# Altium PCB BMD_RevB_PCB.PcbDoc (part 2 of 3) (continued)
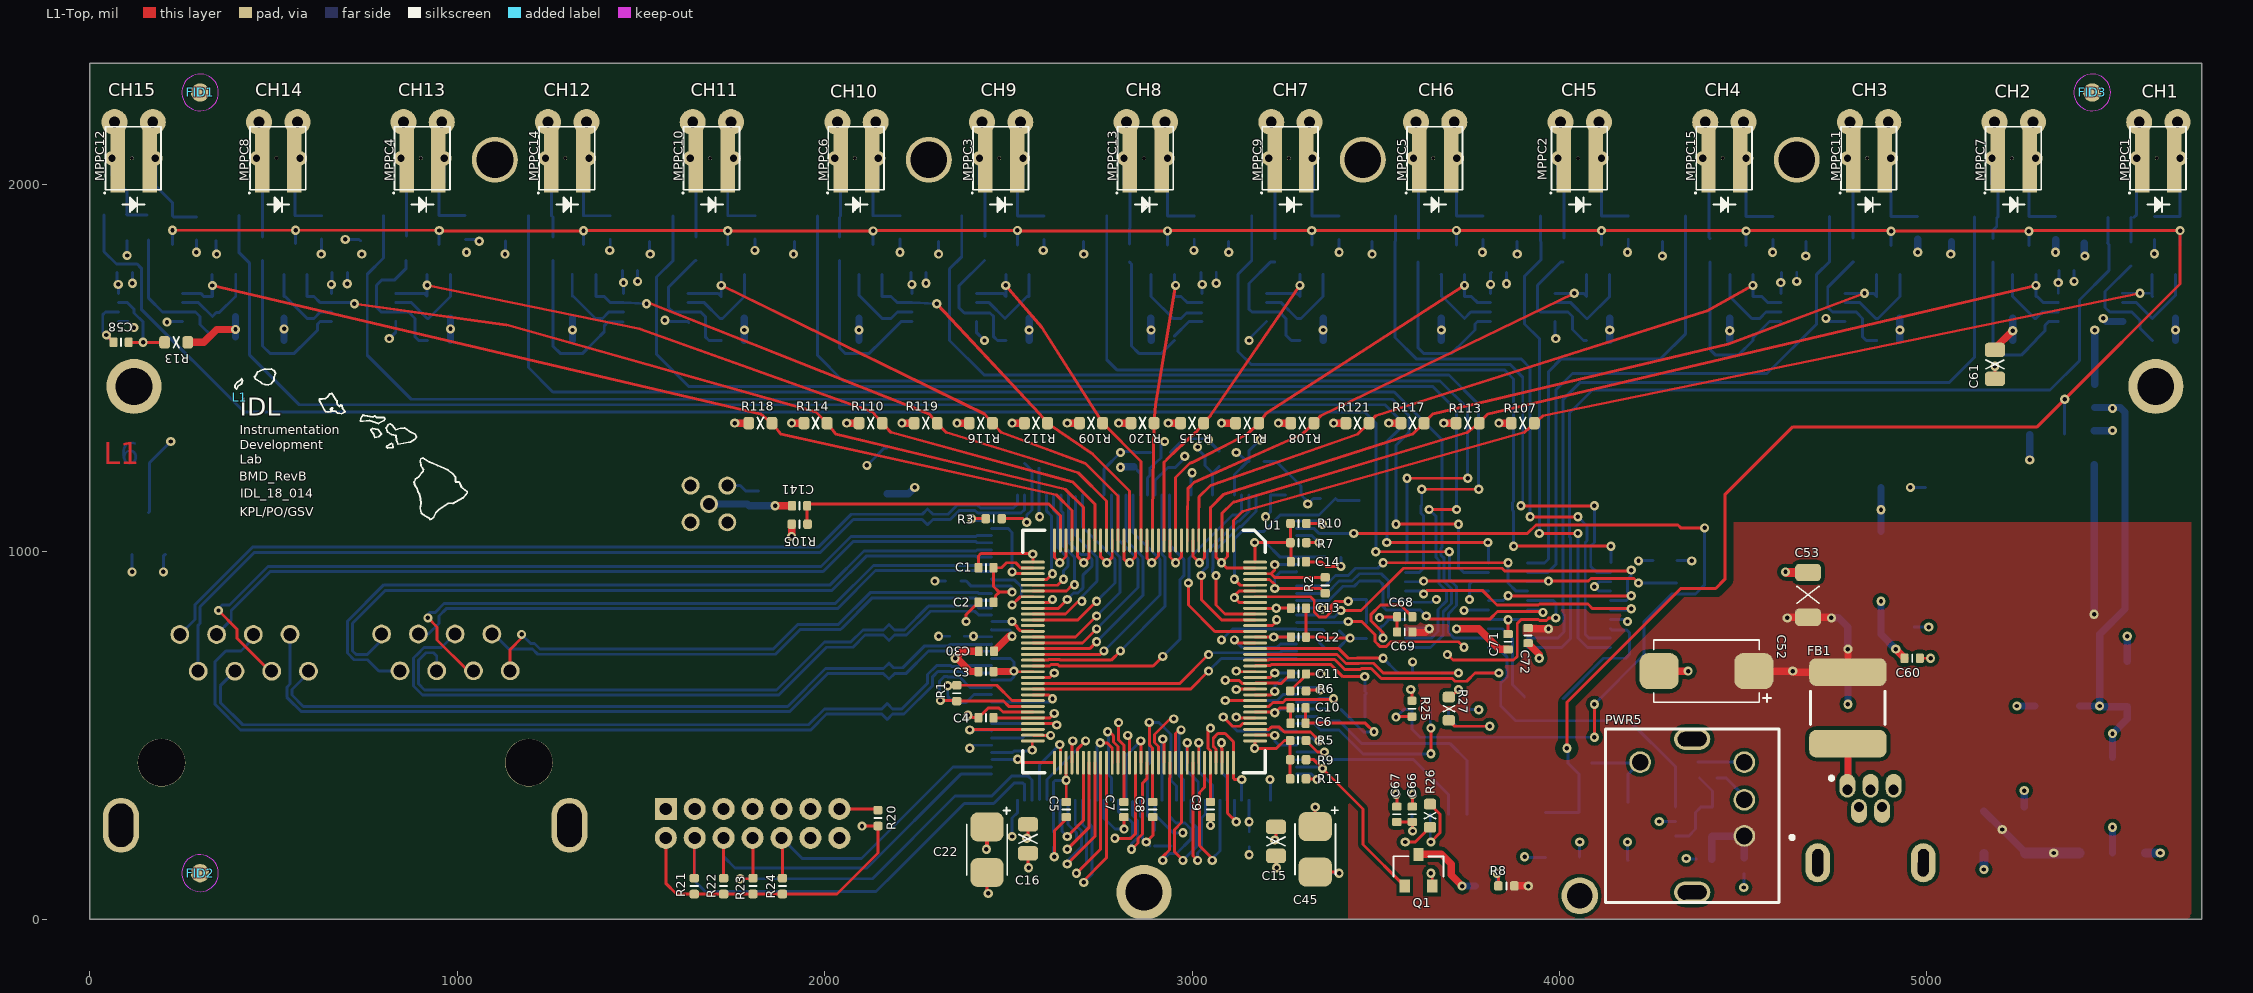
[diagram p0: L1-Top view]
## Nets (pads, with @x,y where several pads share a name; then routed paths per layer and width w, separated by ;. In a path a pad name is that pad's centre, name@x,y a point inside that pad or via, vN(x,y) a via of type N, cw(c..) or ccw(c..) an arc to the next point about the centre after c; other vN are vias at no path point) (continued)
  L6-Bottom w8: U2.46@3284.37,906.32 3361.32,906.32 3390,935 3425,935 3445,955 3505,955 v1(3520,970) ; v1(3860,970) 3860,915 3882.28,892.72 U5.7@3912.4,892.72
DAC_SDO: U2.51 U7.16 | length 676.6
  L1-Top w8: v1(3425,810) 3461.82,810 3497.5,774.32 3497.5,755.68 3510.68,742.5 3529.32,742.5 3541.82,755 3725,755 v1(3740,740)
  L3-MID w8: v1(3740,740) 3742.5,742.5 3742.5,837.5 v1(3740,840)
  L6-Bottom w8: U2.51@3284.37,807.9 3422.9,807.9 v1(3425,810) ; v1(3740,840) 3741.54,841.54 U7.16@3807.09,841.54
DATA_IN_N: J3.B4 R123.1 U2.123 | length 2492.9
  L6-Bottom w8: 345.1,580.1 410.2,515 1962,515 2005,558 2155.35,558 R123.1@2170,543.35 2184.65,558 2215.8,558 2294,636.2 2294,660 2308,674 2339.38,674 2339.88,673.5 2370.12,673.5 2370.62,674 2372.26,674 2376.16,670.1 U2.123@2453.66,670.1 ; 345.1,580.1 341,584.2 341,701 370,730 411,730 444.89,763.89 J3.B4@444.89,774.8
DATA_IN_P: J3.B5 R123.2 U2.124 | length 2319.9
  L6-Bottom w8: J3.B5@394.88,674.8 355.08,635 355,635 355,590 416,529 1956.2,529 1999.2,572 2155.35,572 R123.2@2170,586.65 2184.65,572 2210,572 2280,642 2280,665.8 2303.99,689.79 2343.39,689.79 2345.68,687.5 2364.32,687.5 2366.61,689.79 U2.124@2453.66,689.79
DATA_OUT_N: J3.A6 U2.137 | length 1643.9
  L6-Bottom w8: J3.A6@894.09,775.98 920.98,775.98 950,805 950,825 970,845 2034.8,845 2138.33,948.54 2411.39,948.54 2414.23,945.69 U2.137@2453.66,945.69
DATA_OUT_P: J3.A3 U2.138 | length 1808.1
  L1-Top w8: v1(920,820) 945,795 945,760 1029.01,675.99 J3.A3@1044.09,675.99
  L6-Bottom w8: v1(920,820) 915,825 924.9,834.9 940.1,834.9 964.2,859 2029,859 2132.54,962.54 2411.39,962.54 2414.23,965.38 U2.138@2453.66,965.38
DO_1: U1.91 U2.80 | length 458.3
  L1-Top w8: U1.91@3033.87,425.79 3033.87,358.87 3020,345 3020,200 3055,165 v1(3055,160)
  L6-Bottom w8: v1(3055,160) 3055,165 3075.71,185.71 U2.80@3075.71,323.65
DO_2: U1.90 U2.81 | length 225.3
  L1-Top w8: U1.90@3018.17,425.79 v1@3018.17,479.83
  L6-Bottom w8: v1@3020,480 3020,400 3056.02,363.98 U2.81@3056.02,323.65
  other v1: 3018,480
DO_3: U1.89 U2.82 | length 443.5
  L1-Top w8: U1.89@3002.47,425.79 3002.47,172.53 v1(3015,160)
  L6-Bottom w8: v1(3015,160) 3015,180.2 3025.5,190.7 3025.5,275.5 3036.34,286.34 U2.82@3036.34,323.65
DO_4: U1.88 U2.83 | length 229.4
  L1-Top w8: v1@2985,480 2986.77,478.23 U1.88@2986.77,425.79
  L6-Bottom w8: v1@2990,480 2985,480 2985,405 3016.65,373.35 U2.83@3016.65,323.65
  other v1: 2987,480
DO_5: U1.87 U2.84 | length 467.6
  L1-Top w8: U1.87@2971.07,425.79 2971.07,262.89 2952.5,244.32 2952.5,182.5 v1(2975,160)
  L6-Bottom w8: v1(2975,160) 3011.5,196.5 3011.5,250.12 2996.97,264.65 U2.84@2996.97,323.65
DO_6: U1.86 U2.85 | length 296.9
  L1-Top w8: U1.86@2955,426.16 2955,505 2965,515 v1(2970,515)
  L6-Bottom w8: v1(2970,515) 2964.5,509.5 2964.5,390.5 2977.28,377.72 U2.85@2977.28,323.65
DO_7: U1.85 U2.87 | length 519.6
  L1-Top w8: v1(2920,160) 2920,170 2938.5,188.5 2938.5,383.5 2940,385 2940,425.46 U1.85@2939.67,425.79
  L6-Bottom w8: v1(2920,160) 2938.5,178.5 2957.37,178.5 2997.5,218.64 2997.5,244.32 2980.32,261.5 2956.53,261.5 2937.91,280.11 U2.87@2937.91,323.65
DO_8: U1.84 U2.88 | length 232.9
  L1-Top w8: v1(2920,490) 2923.97,486.03 U1.84@2923.97,425.79
  L6-Bottom w8: U2.88@2918.23,323.65 2918.23,488.23 v1(2920,490)
DO_9: U1.76 U2.95 | length 289.6
  L1-Top w8: v1(2770,510) 2775,510 2786,499 2786,482.33 2798.37,469.97 U1.76@2798.37,425.79
  L6-Bottom w8: v1(2770,510) 2772.5,507.5 2772.5,392.5 2780.43,384.57 U2.95@2780.43,323.65
DO_10: U1.75 U2.97 | length 238.5
  L1-Top w8: v1(2750,480) 2768.27,480 2782.67,465.6 U1.75@2782.67,425.79
  L6-Bottom w8: U2.97@2741.06,323.65 2741.06,471.06 v1(2750,480)
DO_11: U1.74 U2.98 | length 593.6
  L1-Top w8: v1(2705,100) 2700,100 2766.97,166.97 U1.74@2766.97,425.79
  L6-Bottom w8: v1(2705,100) 2727,122 2727,252.4 2721.38,258.02 U2.98@2721.38,323.65
DO_12: U1.73 U2.99 | length 543.2
  L1-Top w8: v1(2685,125) 2751.27,191.27 U1.73@2751.27,425.79
  L6-Bottom w8: v1(2685,125) 2713,153 2713,246.6 2701.69,257.9 U2.99@2701.69,323.65
DO_13: U1.72 U2.100 | length 503.9
  L1-Top w8: v1(2660,150) 2735.57,225.57 U1.72@2735.57,425.79
  L6-Bottom w8: v1(2660,150) 2660,158.18 2699,197.18 2699,240.8 2682.01,257.79 U2.100@2682.01,323.65
DO_14: U1.71 U2.101 | length 414
  L1-Top w8: v1(2660,190) 2719.87,249.87 U1.71@2719.87,425.79
  L6-Bottom w8: v1(2660,190) 2685,215 2685,235 2662.32,257.68 U2.101@2662.32,323.65
DO_15: U1.70 U2.102 | length 327.1
  L1-Top w8: v1(2660,225) 2704.17,269.17 U1.70@2704.17,425.79
  L6-Bottom w8: U2.102@2642.64,323.65 2640,321.01 2640,261.92 2645.83,256.1 2645.83,239.17 v1(2660,225)
DO_16: U1.69 U2.104 | length 271.2
  L1-Top w8: U1.69@2688.47,425.79 2688.47,463.47 v1(2710,485)
  L6-Bottom w8: U2.104@2605,325.38 2605,380 v1(2710,485)
DONE: U1.94 U2.79 | length 217.3
  L1-Top w8: v1(3080,480) 3080,465 3080.97,464.03 U1.94@3080.97,425.79
  L6-Bottom w8: v1(3080,480) 3080,400 3095.39,384.61 U2.79@3095.39,323.65
FLASH_C\S\: R25.1 U2.38 U4.1 | length 2521.8
  L1-Top w8: v1(3440,1050) 3913.18,1050 3935.68,1072.5 4322.5,1072.5 4330,1065 v1(4395,1065) ; v1(3555,550) 3556.18,551.18 R25.1@3598.43,551.18 ; v1(4095,495) v1(4095,585)
  L6-Bottom w8: U2.38@3284.37,1063.8 3331.2,1063.8 3345,1050 v1(3440,1050) v1@3445,1050 ; v1(3555,550) 3575.87,570.87 U4.1@3598.23,570.87 3598.23,516.77 3620,495 v1(4095,495) ; v1(4095,585) 4230,720 4230,810 4305,885 4370,885 4395,910 v1(4395,1065)
FLASH_CLK: U2.70 U4.6 | length 504.8
  L6-Bottom w8: U2.70@3284.37,433.88 3349.3,433.88 3350.68,432.5 3382.5,432.5 ; 3385,435 3601.46,435 3698.23,338.23 U4.6@3698.23,285.43
FLASH_DI: U2.64 U4.5 | length 660
  L6-Bottom w8: U2.64@3284.37,551.99 3338.01,551.99 3350,540 3400,540 3462.5,477.5 3702.5,477.5 3748.23,431.77 U4.5@3748.23,285.43
FLASH_DO: U2.65 U4.2 | length 521.3
  L1-Top w8: v1(3650,450) v1(3650,520)
  L6-Bottom w8: U2.65@3284.37,532.31 3332.31,532.31 3349.61,515 3400,515 3465,450 v1(3650,450) ; U4.2@3648.23,570.87 3648.23,521.77 v1(3650,520)
GND: C1.1 C2.1 C3.1 C4.1 C5.1 C6.1 C7.1 C8.1 C9.1 C10.1 C11.1 C12.1 C13.1 C14.1 C15.1 C16.1 C18.2 C19.1 C20.1 C21.1 C22.2 C25.2 C26.1 C27.1 C28.1 C29.1 C30.1 C31.2 C32.2 C33.2 C35.2 C36.1 C37.1 C38.1 C39.1 C40.1 C41.2 C42.2 C43.1 C44.1 C45.2 C46.1 C47.1 C51.1 C52.2 C53.1 C55.1 C56.1 C57.1 C60.2 C61.1 C63.1 C64.1 C65.1 C66.2 C67.2 C68.2 C69.1 C70.1 C71.2 C72.1 C76.1 C77.1 C78.1 C79.2 C80.2 C81.2 C86.2 C87.2 C88.2 C89.1 C90.2 C95.2 C96.2 C97.2 C98.2 C103.2 C104.2 C105.2 C106.2 C111.2 C112.1 C113.1 C114.2 C115.2 C116.1 C117.2 C122.2 C123.2 C124.2 C125.1 C126.2 C131.2 C132.2 C133.2 C134.2 C138.2 C139.2 C140.2 C142.1 D1.2 D2.2 GND1.1 J1.5 J2.2 J2.3 J2.4 J2.5 J3.T1 J3.T2 JTAG1.3 JTAG1.5 JTAG1.7 JTAG1.9 JTAG1.11 pad.5 pad.6 pad.9 pad.10 POT1.3 PWR1.1 PWR3.1 PWR5.2 PWR5.5 PWR5.6 Q1.2 R3.2 R6.2 R19.1 R29.2 R106.1 U1.2 U1.4 U1.6 U1.8 U1.10 U1.12 U1.14 U1.16 U1.18 U1.20 U1.22 U1.24 U1.26 U1.28 U1.30 U1.32 U1.33 U1.39 U1.45 U1.53 U1.59 U1.68 U1.78 U1.83 U1.93 U1.96 U1.98 U1.101 U1.106 U1.109 U1.114 U1.117 U1.121 U1.123 U1.127 U2.3 U2.13 U2.25 U2.49 U2.54 U2.68 U2.73 U2.77 U2.91 U2.96 U2.108 U2.113 U2.130 U2.136 U4.4 U5.13 U5.14 U6.2 U7.13 U7.14 U8.4 U9.4 U10.4 U11.4 U12.4 U13.4 U14.4 U15.4 | length 10337.3
  L1-Top w8: v1@100,1805 v1(101.38,1806.38) ; v1(2355,710) v1@2360,710 ; v1(2385,810) 2385,828.92 C2.1@2418.31,862.23 ; v1(2390,555) 2395,555 2401.77,548.23 C4.1@2418.31,548.23 2445.08,575 2474,575 2485,564 2565.96,564 U1.59@2566.52,563.44 ; C1.1@2418.31,956.43 2418.31,988.31 2425,995 2565,995 v1(2566.52,993.48) U1.33@2566.52,971.64 ; C22.2@2441.93,126.97 2441.93,73.07 v1(2445,70) ; R3.2@2481.65,1090 2540,1090 ; v1(2510,810) 2524.02,795.98 2524.02,793.14 2532.22,784.94 2566.52,784.94 U1.45@2566.52,783.24 ; v1(2510,855) 2532.44,877.44 U1.39@2566.52,877.44 ; C16.1@2553.15,179.13 2553.15,141.85 v1(2555,140) ; U1.53@2566.52,657.64 2612.64,657.64 v1(2625,670) ; v1(2625,170) 2625,240 2657.48,272.48 C5.1@2657.48,277.56 ; U1.32@2625.67,1030.79 2625.67,984.33 v1(2640,970) 2657.07,987.07 U1.30@2657.07,1030.79 ; U1.68@2672.77,425.79 2672.77,482.77 v1(2675,485) ; U1.28@2688.47,1030.79 2688.47,986.53 v1(2705,970) 2719.87,984.87 U1.26@2719.87,1030.79 ; U1.24@2751.27,1030.79 2751.27,986.27 v1(2767.53,970) 2782.67,985.13 U1.22@2782.67,1030.79 ; U1.20@2814.07,1030.79 2814.07,980.93 2827.5,967.5 v1(2830,970) 2845.47,985.47 U1.18@2845.47,1030.79 ; v1(2815,245) C7.1@2815,277.04 ; v1(2825,500) 2829.77,495.23 U1.78@2829.77,425.79 ; v1(2875,210) 2892.98,227.98 C8.1@2892.98,277.56 ; U1.16@2876.87,1030.79 2876.87,983.13 v1(2890,970) 2908.27,988.27 U1.14@2908.27,1030.79 ; U1.83@2908.27,425.79 2908.27,469.91 2897.5,480.68 2897.5,502.5 2940,545 v1(2950,545) ; U1.12@2939.67,1030.79 2939.67,985.33 v1(2955,970) 2971.07,986.07 U1.10@2971.07,1030.79 ; U1.8@3002.47,1030.79 3002.47,987.53 v1(3020,970) 3033.87,983.87 U1.6@3033.87,1030.79 ; v1@3049.98,255.02 C9.1@3049.98,277.56 ; U1.93@3065.27,425.79 3065.27,462.91 3057.5,470.68 3057.5,492.5 3070,505 3090,505 3112.37,482.63 U1.96@3112.37,425.79 3112.37,382.63 3115,380 v1(3135,380) ; U1.4@3065.27,1030.79 3065.27,984.73 v1(3080,970) ; U1.2@3096.67,1030.79 3096.67,986.67 v1(3080,970) ; v1(3115,760) 3123.16,751.84 U1.114@3171.52,751.84 ; v1(3120,550) 3122.26,547.74 U1.101@3171.52,547.74 ; v1(3120,625) 3118.76,626.24 U1.106@3171.52,626.24 ; v1(3120,675) 3121.66,673.34 U1.109@3171.52,673.34 ; U1.98@3171.52,500.64 3224.36,500.64 v1(3225,500) ; U1.117@3171.52,798.94 3218.94,798.94 v1@3230,810 ; U1.121@3171.52,861.74 3128.26,861.74 v1(3115,875) 3115,880 3128.14,893.14 U1.123@3171.52,893.14 ; U1.127@3171.52,955.94 3094.06,955.94 v1(3080,970) ; C15.1@3228.35,172.24 3228.35,141.65 v1(3230,140) ; R6.2@3266.73,621.06 3313.17,667.5 v1(3350,667.5) ; C10.1@3309.06,574.8 C6.1@3309.06,533.46 3471.54,533.46 v1(3495,510) ; C13.1@3310.04,846.46 C12.1@3310.04,767.72 3357.28,767.72 3360,765 v1(3430,765) ; C14.1@3310.04,972.44 3352.56,972.44 3365,960 v1(3405,960) ; C45.2@3335,127.99 3397.01,127.99 v1(3400,125) ; v1(3510,820.67) 3512.17,822.83 C68.2@3558.07,822.83 C69.1@3558.07,781.5 ; v1(3555,340) 3557.09,337.91 C67.2@3557.09,306.1 ; C66.2@3599.41,306.1 3600,306.69 v1(3600,340) ; v1(3650,125) 3653.54,121.46 Q1.2@3653.54,89.57 ; v1(4615,945) v1@4616.42,943.58 ; C60.2@4980.67,710 v1(5010,710) ; C61.1@5185,1470.63 v1(5185,1505)
  L1-Top w20: v1(2355,710) 2374,729 C30.1@2419.33,729 ; v1@2360,710 2396.17,673.83 C3.1@2418.31,673.83 ; v1(3720,790) 3780,790 3835.67,734.33 C71.2@3860,734.33 ; C72.1@3914.37,750.98 3945,720.35 v1(3945,710) ; C52.2@4271.06,675 v1(4350,675)
  L1-Top w25: v1@4616.42,943.58 C53.1@4676.46,943.58
  L6-Bottom w8: v1(101.38,1806.38) C131.2@101.38,1846.46 ; POT1.3@114.72,992.91 114.72,945.28 v1(115,945) ; v1(115.67,1730.67) C125.1@115.67,1760 ; v1(210,1625) 211.61,1626.61 U15.4@252.6,1626.61 ; v1(290,1815) C126.2@290,1848.5 ; C111.2@343.5,1846.46 343.5,1811.5 v1(345,1810) ; v1(630,1810) 630.91,1810.91 C106.2@630.91,1851.38 ; v1(695,1850) 732.68,1850 C95.2@736.22,1846.46 ; v1(700.67,1729.33) C89.1@700.67,1760 ; v1(815,1580) 832.6,1597.6 U14.4@832.6,1626.61 ; C90.2@1022.64,1850.39 1054.61,1850.39 v1(1060,1845) ; v1(1130,1810) 1130.91,1810.91 C139.2@1130.91,1845.47 ; v1(1415,1820) 1416.34,1821.34 C133.2@1416.34,1850.39 ; v1(1490.67,1735.67) C113.1@1490.67,1765 ; C123.2@1523.62,1844.49 1523.62,1811.38 v1(1525,1810) ; v1(1565,1630) 1570,1635 1578.39,1626.61 U13.4@1627.6,1626.61 U13.4@1630,1624.21 ; J2.5@1735,1180 1770,1180 1785,1165 R106.1@1820,1165 ; v1(1810,1820) v1(1810,1820) C115.2@1810.04,1851.38 ; v1(1915,1810) 1917.32,1812.32 C104.2@1917.32,1844.49 ; v1(2115,1235) 2162.01,1282.01 C31.2@2170,1282.01 ; C97.2@2204.72,1851.38 2204.72,1815.28 v1(2205,1815) ; v1(2275.67,1730.67) C78.1@2275.67,1760 ; v1(2300,920) C25.2@2329.33,920 ; v1@2309.33,770.67 v1(2310,770) C40.1@2339.33,770 ; v1(2310,1810) v1(2310,1810) C88.2@2310.04,1844.49 ; v1(2395,465) 2403.25,473.25 U2.113@2453.66,473.25 ; U12.4@2412.6,1626.61 2412.6,1597.4 v1(2435,1575) ; v1@2441.93,73.07 C32.2@2441.93,126.97 ; U2.136@2453.66,926.01 2457.17,922.5 2517.5,922.5 2535,905 2535,880 v1(2510,855) ; U2.130@2455.76,810 v1(2510,810) ; v1(2510,225) 2510,275 2524.53,289.53 U2.108@2524.53,323.65 ; C142.1@2544.33,1240 2563.9,1220.43 U2.3@2563.9,1154.35 2563.9,1113.9 2550,1100 v1(2550,1080) ; v1(2595,1820) 2597.44,1822.44 C81.2@2597.44,1850.39 ; C35.2@2623.03,195.87 2623.03,171.97 v1(2625,170) ; C138.2@2704.72,1844.49 2704.72,1810.28 v1(2705,1810) ; U2.96@2760.75,323.65 2760.75,274.25 2790,245 v1(2815,245) ; U2.13@2760.75,1154.35 2760.75,1225.75 v1(2805,1270) ; v1@2807.64,1272.64 C47.1@2841.54,1272.64 ; C47.1@2843.5,1270.67 C36.1@2886.81,1270.67 ; U2.91@2859.17,323.65 2859.17,280.42 2865.5,274.1 2865.5,219.5 v1(2875,210) C29.1@2885.67,199.33 ; C29.1@2897.95,199.33 C39.1@2942.33,199.33 ; C26.1@2941.19,1270.67 2978.02,1307.5 3039.94,1307.5 v1@3042.44,1305 ; U2.25@2996.97,1154.35 2996.97,1211.97 v1(3000,1215) ; v1(3005,1820) 3005.91,1820.91 C132.2@3005.91,1850.39 ; v1(3045,1305) v1@3042.44,1305 ; v1(3065.67,1730.67) C112.1@3065.67,1760 ; C37.1@3073.82,1273.62 v1@3042.44,1305 ; C122.2@3099.41,1844.49 3099.41,1815.59 v1(3100,1815) ; v1(3115,760) 3135,740 3231.74,740 3240.58,748.84 U2.54@3284.37,748.84 ; U2.77@3134.76,323.65 3134.76,379.76 v1(3135,380) ; v1(3155,175) 3155.51,175.51 C33.2@3155.51,196.85 ; v1(3155,1575) 3155,1579.02 U11.4@3202.6,1626.61 ; C46.1@3195.67,1245 3230,1245 3296.26,1178.74 C27.1@3296.26,1154.53 v1@3315,1135.79 ; v1(3212.01,380) 3213.5,378.5 U2.73@3213.5,323.65 ; v1(3225,500) 3225,485 3236.75,473.25 U2.68@3284.37,473.25 ; U2.49@3284.37,847.27 3352.73,847.27 v1(3355,845) ; v1(3315,1130) 3330,1145 C20.1@3349.33,1145 ; C42.2@3335.63,126.97 3337.6,125 v1(3400,125) ; C114.2@3399.61,1850.39 3399.61,1815.39 v1(3400,1815) ; C28.1@3400.67,740 v1@3425.67,765 ; C38.1@3400.67,785 3420.67,765 v1@3425.67,765 ; C43.1@3404.53,984.25 3405,983.78 v1(3405,960) ; C44.1@3405.67,570 3466.34,509.33 C18.2@3470,509.33 3494.33,509.33 v1(3495,510) ; C21.1@3475,764.33 3430.67,764.33 v1(3430,765) v1@3425.67,765 ; C103.2@3489.17,1844.49 3489.17,1810.83 v1(3490,1810) ; v1@3600,705 v1(3600,700) 3600,673.2 C19.1@3600.67,672.53 ; U4.4@3748.23,570.87 3779.13,570.87 v1(3780,570) ; v1(3755,870) 3755,911.61 3761.69,918.31 U7.13@3807.09,918.31 ; 3757.28,892.72 U7.14@3807.09,892.72 ; v1(3790,1815) 3792.32,1817.32 C96.2@3792.32,1849.41 ; v1(3855.67,1729.33) C77.1@3855.67,1760 ; C87.2@3884.84,1844.49 3884.84,1810.16 v1(3885,1810) ; v1(3905,170) 3906.69,168.31 C65.1@3961.61,168.31 ; U10.4@3987.6,1626.61 3987.6,1582.4 v1(3990,1580) ; C64.1@4054.13,169.29 4054.13,209.13 v1(4055,210) ; U5.14@4138.78,892.72 4107.28,892.72 v1(4095,905) 4108.31,918.31 U5.13@4138.78,918.31 ; v1(4185,210) 4185,160.47 D2.2@4186.02,159.45 ; v1(4185,1815) 4187.01,1817.01 C80.2@4187.01,1850.39 ; v1(4215,975) 4216.5,976.5 R29.2@4255,976.5 ; v1(4271.25,265.75) U6.2@4316.14,265.75 ; v1(4280,1805) 4280.51,1805.51 C140.2@4280.51,1844.49 ; v1(4345,165) 4346.61,163.39 C70.1@4373.03,163.39 ; R19.1@4429.13,383.86 4453.86,383.86 4502.95,334.76 PWR5.2@4502.95,324.8 ; v1@4502,86.19 C63.1@4502,124.33 ; v1(4580,1815) 4580.71,1815.71 C134.2@4580.71,1849.41 ; v1(4645.67,1735.67) C116.1@4645.67,1760 ; v1(4670,1805) 4671.26,1806.26 C124.2@4671.26,1844.49 ; v1(4725,1635) 4733.39,1626.61 U9.4@4777.6,1626.61 ; v1(4955,1175) C51.1@4996.02,1175 ; PWR1.1@4965.55,795.08 5004.92,795.08 v1(5005,795) ; v1(5400.67,1735.67) C76.1@5400.67,1765 ; v1(5619.09,1810.91) C79.2@5619.09,1849.41
  L6-Bottom w20: v1(4785,585) D1.2@4785,631.61 ; v1(4975,1815) 4975.39,1815.39 C117.2@4975.39,1850.39 ; v1(5065,1810) 5066.93,1811.93 C105.2@5066.93,1843.5 ; v1(5245,580) C57.1@5293.98,580 ; C55.1@5265,306.02 v1(5265,350) ; v1(5280,1250) 5280,1318.9 GND1.1@5280.35,1319.25 ; v1(5350,1815) 5350.39,1815.39 C98.2@5350.39,1849.41 ; C86.2@5428.5,1840 5428.5,1806.5 v1(5430,1805) ; v1(5480,1635) 5488.34,1626.66 U8.4@5532.6,1626.66 ; C41.2@5545,702.01 v1(5545,770)
  L6-Bottom w25: v1(5155,135) C56.1@5155,178.98 ; PWR3.1@5595.55,180.08 v1(5634.92,180.08)
  other v1: 4501.22,86.19 3050,255 3230,815
ISEL_2: ISEL1.1 U1.112 | length 624.8
  L1-Top w8: U1.112@3171.52,720.44 3171.57,720.5 3394.7,720.5 3419.2,696 3454.38,696 3454.88,696.5 3493.5,696.5 3520,670 v1(3725,670) v1@3730,670
  L6-Bottom w8: ISEL1.1@3680,670 v1(3725,670)
MAS_ACK_N: J3.B8 R124.1 U2.1 | length 2493.2
  L6-Bottom w8: J3.B8@244.89,774.8 285.9,815.81 285.9,855.9 290,860 442.4,1012.4 1982.6,1012.4 2072.2,1102 2265.35,1102 R124.1@2280,1116.65 2294.65,1102 2335.84,1102 2360.34,1126.5 2416.5,1126.5 2423.9,1119.1 2514.1,1119.1 2524.53,1129.53 U2.1@2524.53,1154.35
MAS_ACK_P: J3.B7 R124.2 U2.2 | length 2589.2
  L6-Bottom w8: J3.B7@294.88,674.8 294.88,799.88 299.9,804.9 299.9,850.1 448.2,998.4 1988.4,998.4 2030,1040 2078,1088 2265.35,1088 R124.2@2280,1073.35 2294.65,1088 2341.64,1088 2366.14,1112.5 2409.32,1112.5 2416.72,1105.1 2534.51,1105.1 2544.21,1114.81 U2.2@2544.21,1154.35
MON_TIMING: U1.116 U2.32 | length 579.3
  L1-Top w8: v1(2990,915) 2990,855 3061.76,783.24 U1.116@3171.52,783.24
  L6-Bottom w8: v1(2990,915) 2991.5,916.5 2991.5,981.5 3110,1100 3125,1100 3134.76,1109.76 U2.32@3134.76,1154.35
NetC58_1: C58.1 R12.1 R13.2 U15.7 | length 286.5
  L1-Top w8: C58.1@105.67,1570 v1(145,1570) R13.2@203.5,1570
  L6-Bottom w8: U15.7@77.4,1677.8 102.2,1677.8 120,1660 120,1650 145,1625 v1(145,1570) R12.1@106.65,1570
NetC58_2: C58.2 R12.2 U15.6 | length 161.8
  L1-Top w8: v1(45,1590) 45,1589.33 C58.2@64.33,1570
  L6-Bottom w8: v1(45,1590) v1@43.35,1590 ; R12.2@63.35,1570 v1@43.35,1590 ; U15.6@77.4,1652.2 42.2,1652.2 35,1645 35,1598.35 v1@43.35,1590
NetC73_1: C73.1 R30.1 R33.2 U8.2 | length 245
  L6-Bottom w8: U8.2@5532.6,1677.84 5570.66,1677.84 R33.2@5613.5,1635 5677,1698.5 C73.1@5677,1755
NetC74_1: C74.1 R31.1 R34.2 U10.2 | length 251
  L6-Bottom w8: U10.2@3987.6,1677.8 4030.71,1677.8 R34.2@4073.5,1635 4076.5,1635 R31.1@4136.5,1695 C74.1@4136.5,1754.5
NetC75_1: C75.1 R32.1 R35.2 U12.2 | length 246
  L6-Bottom w8: U12.2@2412.6,1677.8 2447.8,1677.8 2490.59,1635 2550.59,1695 R32.1@2556.5,1695 C75.1@2556.5,1754.5
NetC79_1: C79.1 MPPC1.2 R36.2 | length 228.4
  L6-Bottom w8: C79.1@5619.09,1912.4 R36.2@5688.98,1912.4 MPPC1.2@5688.99,2070.88
NetC80_1: C80.1 MPPC2.2 R37.2 | length 230.3
  L6-Bottom w8: MPPC2.2@4114.17,2070.87 R37.2@4114.17,1913.39 C80.1@4187.01,1913.39
NetC81_1: C81.1 MPPC3.2 R38.2 | length 236.1
  L6-Bottom w8: MPPC3.2@2540,2070.27 2540,2000 2524.61,1984.61 R38.2@2524.61,1913.39 C81.1@2597.44,1913.39
NetC82_1: C82.1 MPPC1.1 R42.2 | length 247.8
  L1-Top w8: MPPC1.1@5570.88,2070.88 5574.82,2066.94 MPPC1.1@5586.63,2066.94
  L6-Bottom w8: C82.1@5555.93,1842.94 R42.2@5555.93,1910 ; R42.2@5563.98,1910.43 5570.88,1917.34 MPPC1.1@5570.88,2070.88
NetC82_2: C82.2 R39.2 U8.3 | length 320.4
  L6-Bottom w8: C82.2@5555,1778 5485,1708 5485,1665 5497.75,1652.25 U8.3@5532.6,1652.25 5557.75,1652.25 5580,1630 5580,1608.5 R39.2@5613.5,1575
NetC83_1: C83.1 MPPC2.1 R43.2 | length 223
  L6-Bottom w8: MPPC2.1@3995,2069.8 3995,2000 4011.81,1983.19 R43.2@4011.81,1913.39 C83.1@4011.81,1853.81
NetC83_2: C83.2 R40.2 U10.3 | length 350.3
  L6-Bottom w8: C83.2@4010,1788 4003,1788 3940,1725 3940,1660 3947.8,1652.2 U10.3@3987.6,1652.2 4022.8,1652.2 4035,1640 4035,1605 4065,1575 R40.2@4073.5,1575
NetC84_1: C84.1 MPPC3.1 R44.2 | length 218.2
  L6-Bottom w8: MPPC3.1@2420,2069.61 2420,2000 2436.02,1983.98 R44.2@2436.02,1913.39 C84.1@2436.02,1858.02
NetC84_2: C84.2 R41.2 U12.3 | length 355
  L6-Bottom w8: C84.2@2435,1793 2365,1723 2365,1665 2380,1650 2450,1650 2460,1640 2460,1585 2470,1575 R41.2@2493.5,1575
NetC85_1: C85.1 R45.1 R46.2 U14.2 | length 251.7
  L6-Bottom w8: U14.2@832.6,1677.8 875.71,1677.8 R46.2@918.5,1635 921.5,1635 R45.1@981.5,1695 981.5,1754.5 C85.1@982,1755
NetC90_1: C90.1 MPPC4.2 R47.2 | length 231.1
  L6-Bottom w8: MPPC4.2@964.58,2070.88 964.58,2005 950.79,1991.2 R47.2@950.79,1915.35 C90.1@1020.67,1915.35
NetC91_1: C91.1 MPPC4.1 R49.2 | length 218.8
  L6-Bottom w8: MPPC4.1@846.47,2070.88 846.47,2001.47 862.95,1985 862.2,1984.26 R49.2@862.2,1914.37 C91.1@862.2,1859.2
NetC91_2: C91.2 R48.2 U14.3 | length 386.7
  L6-Bottom w8: C91.2@860,1793 860,1770 830,1740 795,1740 780,1725 780,1665 792.8,1652.2 U14.3@832.6,1652.2 867.8,1652.2 885,1635 885,1585 895,1575 R48.2@918.5,1575
NetC92_1: C92.1 R50.2 R51.1 U10.6 | length 226.1
  L6-Bottom w8: C92.1@3678,1755 3678.5,1754.5 R51.1@3678.5,1695 3681.5,1695 R50.2@3741.5,1635 3758.7,1652.2 U10.6@3812.4,1652.2
NetC93_1: C93.1 R52.2 R53.1 U12.6 | length 234.3
  L6-Bottom w8: C93.1@2093,1755 2093,1698.5 R52.2@2156.5,1635 2180.59,1635 2197.8,1652.2 U12.6@2237.4,1652.2
NetC94_1: C94.1 R54.2 R55.1 U8.6 | length 216.1
  L6-Bottom w8: C94.1@5233,1755 5233,1695.5 R55.1@5233.5,1695 5293.5,1635 R54.2@5296.5,1635 5313.75,1652.25 U8.6@5357.4,1652.25
NetC96_1: C96.1 MPPC5.2 R56.2 | length 228.3
  L6-Bottom w8: MPPC5.2@3719.49,2069.88 R56.2@3719.49,1913.39 C96.1@3791.34,1913.39
NetC97_1: C97.1 MPPC6.2 R57.2 | length 234.1
  L6-Bottom w8: MPPC6.2@2145,2070.2 2145,1996.22 2131.89,1983.11 R57.2@2131.89,1914.37 C97.1@2204.72,1914.37
NetC98_1: C98.1 MPPC7.2 R58.2 | length 238.2
  L6-Bottom w8: MPPC7.2@5295,2070.59 5295,1999.88 5277.56,1982.44 R58.2@5277.56,1912.4 C98.1@5350.39,1912.4
NetC99_1: C99.1 MPPC5.1 R62.2 | length 219.7
  L6-Bottom w8: MPPC5.1@3605,2068.26 3605,1995 3616.14,1983.86 R62.2@3616.14,1913.39 C99.1@3616.14,1853.14
NetC99_2: C99.2 R59.1 U10.5 | length 482.2
  L6-Bottom w8: C99.2@3615,1788 3615,1555 3630,1540 3706.5,1540 R59.1@3741.5,1575 3770,1603.5 3770,1620 3776.61,1626.61 U10.5@3812.4,1626.61
NetC100_1: C100.1 MPPC6.1 R63.2 | length 213.7
  L6-Bottom w8: MPPC6.1@2030,2068.46 2030,1995 2043.31,1981.69 R63.2@2043.31,1913.39 ; C100.1@2040,1857 R63.2@2040,1910.08
NetC100_2: C100.2 R60.1 U12.5 | length 477.5
  L6-Bottom w8: C100.2@2040,1793 2040,1555 2055,1540 2121.5,1540 R60.1@2156.5,1575 2208.11,1626.61 U12.5@2237.4,1626.61
NetC101_1: C101.1 MPPC7.1 R64.2 | length 225.3
  L6-Bottom w8: MPPC7.1@5175,2068.7 5175,2000.83 5192.91,1982.91 R64.2@5192.91,1911.42 ; C101.1@5180,1852 5180,1875 5190,1885 R64.2@5190,1908.5
NetC101_2: C101.2 R61.1 U8.5 | length 469.2
  L6-Bottom w8: C101.2@5180,1788 5180,1550 5195,1535 5256.5,1535 R61.1@5296.5,1575 5296.5,1576.5 5321.26,1601.26 5321.26,1616.26 5331.66,1626.66 U8.5@5357.4,1626.66
NetC102_1: C102.1 R65.2 R66.1 U14.6 | length 220.4
  L6-Bottom w8: R66.1@528,1695.5 C102.1@528,1755 ; R66.1@528.5,1695 531.5,1695 R65.2@591.5,1635 610,1635 627.2,1652.2 U14.6@657.4,1652.2
NetC106_1: C106.1 MPPC8.2 R67.2 | length 231.8
  L6-Bottom w8: MPPC8.2@570,2069.02 570,1993.86 558.07,1981.93 R67.2@558.07,1915.35 559.06,1914.37 C106.1@630.91,1914.37
NetC107_1: C107.1 MPPC8.1 R69.2 | length 219.9
  L6-Bottom w8: MPPC8.1@453.76,2070.88 453.76,2006.24 469.5,1990.5 R69.2@469.5,1915.37 ; C107.1@470,1857 R69.2@470,1914.87
NetC107_2: C107.2 R68.1 U14.5 | length 474.2
  L6-Bottom w8: C107.2@470,1793 470,1560 490,1540 556.5,1540 R68.1@591.5,1575 620,1603.5 620,1620 626.61,1626.61 U14.5@657.4,1626.61
NetC108_1: C108.1 R70.1 R73.2 U11.2 | length 256.7
  L6-Bottom w8: U11.2@3202.6,1677.8 3242.8,1677.8 3285.59,1635 R73.2@3293.5,1635 3296.5,1635 R70.1@3356.5,1695 3356.5,1754.5 C108.1@3357,1755
NetC109_1: C109.1 R71.1 R74.2 U13.2 | length 256.7
  L6-Bottom w8: U13.2@1627.6,1677.8 1672.2,1677.8 1715,1635 R74.2@1718.5,1635 1721.5,1635 R71.1@1781.5,1695 1782,1695.5 C109.1@1782,1755
NetC110_1: C110.1 R72.1 R77.2 U9.2 | length 251
  L6-Bottom w8: U9.2@4777.6,1677.8 4817.8,1677.8 4860.59,1635 R77.2@4863.5,1635 4866.5,1635 R72.1@4926.5,1695 C110.1@4926.5,1754.5
NetC114_1: C114.1 MPPC9.2 R75.2 | length 229.8
  L6-Bottom w8: MPPC9.2@3330,2067.67 3330,1988.43 3325.79,1984.21 R75.2@3325.79,1913.39 C114.1@3399.61,1913.39
NetC115_1: C115.1 MPPC10.2 R76.2 | length 236.9
  L6-Bottom w8: MPPC10.2@1751.98,2070.88 1751.98,2001.98 1736.22,1986.22 R76.2@1736.22,1914.37 C115.1@1810.04,1914.37
NetC117_1: C117.1 MPPC11.2 R78.2 | length 229.4
  L6-Bottom w8: MPPC11.2@4902.56,2069.91 R78.2@4902.56,1912.4 C117.1@4974.41,1912.4
NetC118_1: C118.1 MPPC9.1 R82.2 | length 226
  L6-Bottom w8: MPPC9.1@3208.68,2070.88 3208.68,2001.32 3225.39,1984.61 R82.2@3225.39,1913.39 3225.39,1852.39 C118.1@3225,1852
NetC118_2: C118.2 R79.2 U11.3 | length 364.1
  L6-Bottom w8: C118.2@3225,1788 3213,1788 3155,1730 3155,1660 3162.8,1652.2 U11.3@3202.6,1652.2 3237.8,1652.2 3255,1635 3255,1590 3270,1575 R79.2@3293.5,1575
NetC119_1: C119.1 MPPC10.1 R83.2 | length 220
  L6-Bottom w8: MPPC10.1@1633.87,2070.88 1633.87,2001.13 1649.61,1985.39 R83.2@1649.61,1913.39 ; C119.1@1650,1857 R83.2@1650,1912.99
NetC119_2: C119.2 R80.2 U13.3 | length 373.2
  L6-Bottom w8: C119.2@1650,1793 1648,1793 1575,1720 1575,1665 1587.8,1652.2 U13.3@1627.6,1652.2 1662.8,1652.2 1675,1640 1675,1585 1685,1575 R80.2@1718.5,1575
NetC120_1: C120.1 MPPC11.1 R84.2 | length 223.2
  L6-Bottom w8: MPPC11.1@4783.48,2070.88 4783.48,1997.98 4798.23,1983.23 R84.2@4798.23,1912.4 C120.1@4798.23,1853.77
NetC120_2: C120.2 R81.2 U9.3 | length 353.2
  L6-Bottom w8: C120.2@4800,1788 4798,1788 4730,1720 4730,1665 4742.8,1652.2 U9.3@4777.6,1652.2 4807.8,1652.2 4825,1635 4825,1585 4835,1575 R81.2@4863.5,1575
NetC121_1: C121.1 R85.1 R86.2 U15.2 | length 242.5
  L6-Bottom w8: U15.2@252.6,1677.8 295.71,1677.8 333.5,1640 344.25,1650.75 352.24,1650.75 R85.1@396.5,1695 397,1695.5 C121.1@397,1755
NetC126_1: C126.1 MPPC12.2 R87.2 | length 235.4
  L6-Bottom w8: MPPC12.2@180,2069.05 180,1995 225,1950 R87.2@225,1914.37 ; R87.2@227.87,1911.5 C126.1@290,1911.5
NetC127_1: C127.1 MPPC12.1 R89.2 | length 227.9
  L6-Bottom w8: MPPC12.1@60.06,2070.88 60.06,2022.7 101.38,1981.38 R89.2@101.38,1916.34 ; R89.2@100,1917.72 R89.2@101.38,1916.34 ; C127.1@155.66,1916.34 R89.2@101.38,1916.34
NetC127_2: C127.2 R88.2 U15.3 | length 387.6
  L6-Bottom w8: C127.2@160,1848 160,1690 197.8,1652.2 U15.3@252.6,1652.2 287.8,1652.2 300,1640 300,1618.5 R88.2@333.5,1585